# KiCad board Slab.kicad_pcb (continued)
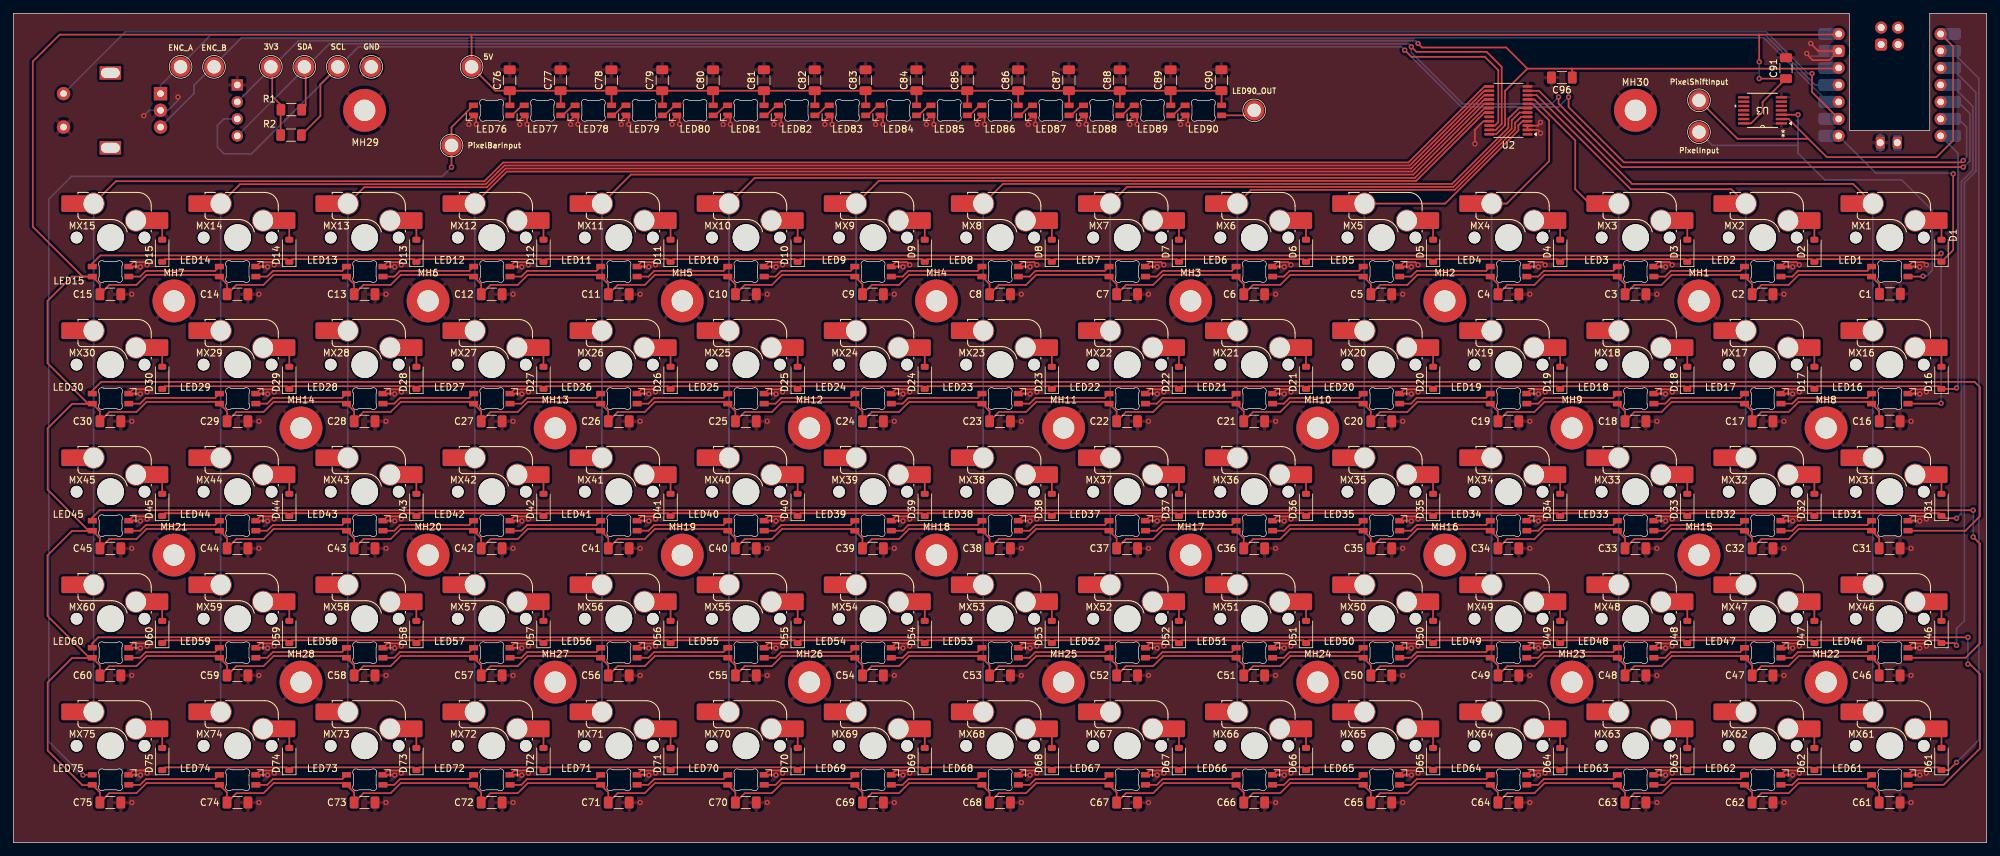
[diagram p0: board, top side]
## Routing (per net, layer and track width the routed paths; a pad name or vN(x,y) marks a point on that pad's centre or on a via; arc(x,y) is an arc through that point) (continued)
/Column1: length 134.6
  Top w0.25: MX1.2 275.04,98.5 242,98.5 228.07,112.42 U2.11
  Bottom w0.25: MX1.2 MX16.2 MX31.2 MX46.2 MX61.2
/Column2: length 115.3
  Top w0.25: MX2.2 256.84,97.7 241.8,97.7 227.72,111.78 U2.10
  Bottom w0.25: MX2.2 MX17.2 MX32.2 MX47.2 MX62.2
/Column3: length 100.3
  Top w0.25: MX3.2 235.65,95.56 233.5,97.7 233.5,105 227.38,111.12 U2.9
  Bottom w0.25: MX63.2 MX48.2 MX33.2 MX18.2 MX3.2
/Column4: length 97.6
  Top w0.25: MX4.2 223.25,95.56 229.6,101.9 229.6,107.97 227.1,110.47 U2.8
  Bottom w0.25: MX64.2 MX49.2 MX34.2 MX19.2 MX4.2
/Column5: length 105.9
  Top w0.25: MX5.2 214.06,95.56 225,106.5 225,107.26 225.61,107.88 U2.4
  Bottom w0.25: MX65.2 MX50.2 MX35.2 MX20.2 MX5.2
/Column6: length 125.3
  Top w0.25: MX6.2 185.03,97.6 215.46,97.6 224.5,106.64 224.5,107.62 225.4,108.53 U2.5
  Bottom w0.25: MX66.2 MX51.2 MX36.2 MX21.2 MX6.2
/Column7: length 144.7
  Top w0.25: MX7.2 166.48,98.05 215.28,98.05 224,106.77 224,108 225.18,109.17 U2.6
  Bottom w0.25: MX7.2 MX22.2 MX37.2 MX52.2 MX67.2
/Column8: length 164.1
  Top w0.25: MX8.2 147.93,98.5 215.09,98.5 223.5,106.91 223.5,108.25 225.07,109.83 U2.7
  Bottom w0.25: MX68.2 MX53.2 MX38.2 MX23.2 MX8.2
/Column9: length 176.3
  Top w0.25: U2.19 219.95,109.17 209.72,98.95 129.38,98.95 MX9.2
  Bottom w0.25: MX69.2 MX54.2 MX39.2 MX24.2 MX9.2
/Column10: length 195.6
  Top w0.25: MX10.2 110.83,99.4 209.52,99.4 219.95,109.83 U2.18
  Bottom w0.25: MX10.2 MX25.2 MX40.2 MX55.2 MX70.2
/Column11: length 214.8
  Top w0.25: U2.17 219.88,110.47 209.3,99.9 92.33,99.9 MX11.2
  Bottom w0.25: MX11.2 MX26.2 MX41.2 MX56.2 MX71.2
/Column12: length 234.1
  Top w0.25: U2.16 219.89,111.12 209.11,100.35 73.78,100.35 MX12.2
  Bottom w0.25: MX72.2 MX57.2 MX42.2 MX27.2 MX12.2
/Column13: length 253.4
  Top w0.25: U2.15 219.9,111.78 208.93,100.8 73.59,100.8 70.79,98 52.43,98 MX13.2
  Bottom w0.25: MX13.2 MX28.2 MX43.2 MX58.2 MX73.2
/Column14: length 272.6
  Top w0.25: MX14.2 33.88,98.45 70.61,98.45 73.41,101.25 208.74,101.25 219.92,112.42 U2.14
  Bottom w0.25: MX74.2 MX59.2 MX44.2 MX29.2 MX14.2
/Column15: length 291.9
  Top w0.25: U2.13 219.93,113.08 208.55,101.7 73.22,101.7 70.42,98.9 15.33,98.9 MX15.2
  Bottom w0.25: MX75.2 MX60.2 MX45.2 MX30.2 MX15.2
/EncoderA: length 258.4
  Bottom w0.25: U1.11 269.36,113.3 261.86,120.8 29.55,120.8 22,113.25 SW1.A
/EncoderB: length 261.1
  Bottom w0.25: U1.12 271.27,110.76 261.68,120.35 34.1,120.35 27,113.25 27,112 SW1.B
/EncoderSwitchOutput: length 276.4
  Top w0.25: 268.9,114.8 v1(268.9,115) 268.9,112.22 272.88,108.24 U1.13
  Bottom w0.25: SW1.S2 16.75,121.25 262.05,121.25 268.3,115 v1(268.9,115)
/I2C_1.SCL: length 330.7
  Top w0.25: U2.22 221.49,107.22 222,107.74 222,115.5 220,117.5 209,117.5 v1(208,118.5) ; v1(291.5,102) 291.23,101.72 240.78,101.72 232.5,110 v1(232.5,111.5) ; SCL.1 45.9,113.4 45.9,108.65 R2.2
  Bottom w0.25: J1.3 31.47,108.22 30.5,107.25 30.5,104 31.5,103 35.6,103 51.6,119 207.5,119 v1(208,118.5) 216.5,110 231,110 v1(232.5,111.5) ; v1(291.5,102) 292,102.5 292,107 290.78,108.22 U1.6
/I2C_1.SDA: length 319
  Top w0.25: U2.23 221.6,106.58 222.5,107.47 222.5,116 220.25,118.25 209.75,118.25 v1(209,119) ; 43.7,116 43.7,110.2 R1.2 ; v1(231,111.5) 231,110.5 240.5,101 v1(291.5,101)
  Bottom w0.25: v1(231,111.5) 229.95,110.45 216.69,110.45 209,118.14 v1(209,119) 208.55,119.45 47.24,119.45 J1.4 ; U1.5 290.74,110.76 292.5,109 292.5,101.97 291.53,101 v1(291.5,101)
/PixelBarInput: length 162.8
  Top w0.25: v1(10.4,10.1) 10.45,10.14 LED75.2 ; LED76.3 65.5,106.97 PixelBarInput.1 v1(65.5,101)
  Bottom w0.25: 10.3,10.1 v1(10.4,10.1) 10.4,10 10.3,10.1 ; 10.3,10.1 5.3,15.1 5.3,96.25 8.68,99.62 64.12,99.62 v1(65.5,101)
/PixelInput: length 60.4
  Top w0.25: v1(266.8,108.85) U3.3 ; LED1.3 285.44,84.65 v1(285.5,84.7)
  Bottom w0.25: 266.8,104.25 266.8,103.1 270.8,99.1 282.3,99.1 286.86,94.55 286.86,85.56 286,84.7 v1(285.5,84.7) ; 266.8,104.25 v1(266.8,108.85) ; 266.8,104.25 254,104.25 PixelInput.1
/PixelShiftInput: length 64.5
  Top w0.25: PixelShiftInput.1 257.75,105.25 268.36,105.25 ; 268.36,105.25 271.11,102.5 287.5,102.5 290,105 290,119.04 U1.1 ; 268.36,105.25 265.41,108.2 U3.2
/Row1: length 304
  Top w0.25: D15.1 22.65,87.25 40.85,87.25 D14.1 41.65,87.25 59.85,87.25 D13.1 60.65,87.25 78.85,87.25 D12.1 79.65,87.25 97.85,87.25 D11.1 98.65,87.25 116.85,87.25 D10.1 117.65,87.25 135.85,87.25 D9.1 136.65,87.25 154.85,87.25 D8.1 155.65,87.25 173.85,87.25 D7.1 174.65,87.25 192.85,87.25 D6.1 193.65,87.25 211.85,87.25 D5.1 212.65,87.25 230.85,87.25 D4.1 231.65,87.25 249.85,87.25 D3.1 250.65,87.25 268.85,87.25 D2.1 269.65,87.25 287.85,87.25 D1.1 290,88.6 v1(290,100)
  Bottom w0.25: v1(290,100) 289.9,100.1 278.46,100.1 U1.14
/Row2: length 311.8
  Top w0.25: v1(290.5,68) 290.35,67.85 D16.1 287.85,68.25 269.65,68.25 D17.1 268.85,68.25 250.65,68.25 D18.1 249.85,68.25 231.65,68.25 D19.1 230.85,68.25 212.65,68.25 D20.1 211.85,68.25 193.65,68.25 D21.1 192.85,68.25 174.65,68.25 D22.1 173.85,68.25 155.65,68.25 D23.1 154.85,68.25 136.65,68.25 D24.1 135.85,68.25 117.65,68.25 D25.1 116.85,68.25 98.65,68.25 D26.1 97.85,68.25 79.65,68.25 D27.1 78.85,68.25 60.65,68.25 D28.1 59.85,68.25 41.65,68.25 D29.1 40.85,68.25 22.65,68.25 D30.1
  Bottom w0.25: U1.7 290.73,103.08 290.73,68.22 v1(290.5,68)
/Row3: length 341.8
  Top w0.25: v1(290.5,48.5) 288.6,48.5 D31.1 287.85,49.25 269.65,49.25 D32.1 268.85,49.25 250.65,49.25 D33.1 249.85,49.25 231.65,49.25 D34.1 230.85,49.25 212.65,49.25 D35.1 211.85,49.25 193.65,49.25 D36.1 192.85,49.25 174.65,49.25 D37.1 173.85,49.25 155.65,49.25 D38.1 154.85,49.25 136.65,49.25 D39.1 135.85,49.25 117.65,49.25 D40.1 116.85,49.25 98.65,49.25 D41.1 97.85,49.25 79.65,49.25 D42.1 78.85,49.25 60.65,49.25 D43.1 59.85,49.25 41.65,49.25 D44.1 40.85,49.25 22.65,49.25 D45.1
  Bottom w0.25: v1(290.5,48.5) 291.23,49.22 291.23,98.86 292.95,100.59 292.95,110.08 289.73,113.3 U1.4
/Row4: length 363.7
  Top w0.25: D60.1 22.65,30.25 40.85,30.25 D59.1 41.65,30.25 59.85,30.25 D58.1 60.65,30.25 78.85,30.25 D57.1 79.65,30.25 97.85,30.25 D56.1 98.65,30.25 116.85,30.25 D55.1 117.65,30.25 135.85,30.25 D54.1 136.65,30.25 154.85,30.25 D53.1 155.65,30.25 173.85,30.25 D52.1 174.65,30.25 192.85,30.25 D51.1 193.65,30.25 211.85,30.25 D50.1 212.65,30.25 230.85,30.25 D49.1 231.65,30.25 249.85,30.25 D48.1 250.65,30.25 268.85,30.25 D47.1 269.65,30.25 287.85,30.25 D46.1 290.15,29.85 v1(290.5,29.5)
  Bottom w0.25: U1.3 289.73,115.84 293.4,112.17 293.4,100.4 291.68,98.67 291.68,33.17 290.5,32 v1(290.5,29.5)
/Row5: length 384.5
  Top w0.25: v1(290.5,12) 289.35,10.85 D61.1 287.85,11.25 269.65,11.25 D62.1 268.85,11.25 250.65,11.25 D63.1 249.85,11.25 231.65,11.25 D64.1 230.85,11.25 212.65,11.25 D65.1 211.85,11.25 193.65,11.25 D66.1 192.85,11.25 174.65,11.25 D67.1 173.85,11.25 155.65,11.25 D68.1 154.85,11.25 136.65,11.25 D69.1 135.85,11.25 117.65,11.25 D70.1 116.85,11.25 98.65,11.25 D71.1 97.85,11.25 79.65,11.25 D72.1 78.85,11.25 60.65,11.25 D73.1 59.85,11.25 41.65,11.25 D74.1 40.85,11.25 22.65,11.25 D75.1
  Bottom w0.25: U1.2 289.73,118.38 293.85,114.26 293.85,15.35 v1(290.5,12)
Net-(D1-A): length 3
  Top w0.25: MX1.1 288.25,92.65 D1.2
Net-(D2-A): length 3
  Top w0.25: MX2.1 269.25,92.65 D2.2
Net-(D3-A): length 3
  Top w0.25: D3.2 250.25,92.65 MX3.1
Net-(D4-A): length 3
  Top w0.25: MX4.1 231.25,92.65 D4.2
Net-(D5-A): length 3
  Top w0.25: D5.2 212.25,92.65 MX5.1
Net-(D6-A): length 3
  Top w0.25: D6.2 193.25,92.65 MX6.1
Net-(D7-A): length 3
  Top w0.25: MX7.1 174.25,92.65 D7.2
Net-(D8-A): length 3
  Top w0.25: D8.2 155.25,92.65 MX8.1
Net-(D9-A): length 3
  Top w0.25: D9.2 136.25,92.65 MX9.1
Net-(D10-A): length 3
  Top w0.25: D10.2 117.25,92.65 MX10.1
Net-(D11-A): length 3
  Top w0.25: D11.2 98.25,92.65 MX11.1
Net-(D12-A): length 3
  Top w0.25: MX12.1 79.25,92.65 D12.2
Net-(D13-A): length 3
  Top w0.25: D13.2 60.25,92.65 59.88,93.02
Net-(D14-A): length 3
  Top w0.25: D14.2 41.25,92.65 40.88,93.02
Net-(D15-A): length 3
  Top w0.25: D15.2 22.25,92.65 21.88,93.02
Net-(D16-A): length 3
  Top w0.25: D16.2 288.25,73.65 MX16.1
Net-(D17-A): length 3
  Top w0.25: MX17.1 269.25,73.65 D17.2
Net-(D18-A): length 3
  Top w0.25: D18.2 250.25,73.65 MX18.1
Net-(D19-A): length 3
  Top w0.25: MX19.1 231.25,73.65 D19.2
Net-(D20-A): length 3
  Top w0.25: MX20.1 212.25,73.65 D20.2
Net-(D21-A): length 3
  Top w0.25: D21.2 193.25,73.65 MX21.1
Net-(D22-A): length 3
  Top w0.25: MX22.1 174.25,73.65 D22.2
Net-(D23-A): length 3
  Top w0.25: MX23.1 155.25,73.65 D23.2
Net-(D24-A): length 3
  Top w0.25: MX24.1 136.25,73.65 D24.2
Net-(D25-A): length 3
  Top w0.25: MX25.1 117.25,73.65 D25.2
Net-(D26-A): length 3
  Top w0.25: MX26.1 98.25,73.65 D26.2
Net-(D27-A): length 3
  Top w0.25: D27.2 79.25,73.65 MX27.1
Net-(D28-A): length 3
  Top w0.25: D28.2 60.25,73.65 59.88,74.02
Net-(D29-A): length 3
  Top w0.25: D29.2 41.25,73.65 40.88,74.02
Net-(D30-A): length 3
  Top w0.25: 21.88,74.02 22.25,73.65 D30.2
Net-(D31-A): length 3
  Top w0.25: MX31.1 288.25,54.65 D31.2
Net-(D32-A): length 3
  Top w0.25: MX32.1 269.25,54.65 D32.2
Net-(D33-A): length 3
  Top w0.25: MX33.1 250.25,54.65 D33.2
Net-(D34-A): length 3
  Top w0.25: MX34.1 231.25,54.65 D34.2
Net-(D35-A): length 3
  Top w0.25: MX35.1 212.25,54.65 D35.2
Net-(D36-A): length 3
  Top w0.25: MX36.1 193.25,54.65 D36.2
Net-(D37-A): length 3
  Top w0.25: MX37.1 174.25,54.65 D37.2
Net-(D38-A): length 3
  Top w0.25: MX38.1 155.25,54.65 D38.2
Net-(D39-A): length 3
  Top w0.25: MX39.1 136.25,54.65 D39.2
Net-(D40-A): length 3
  Top w0.25: MX40.1 117.25,54.65 D40.2
Net-(D41-A): length 3
  Top w0.25: MX41.1 98.25,54.65 D41.2
Net-(D42-A): length 3
  Top w0.25: D42.2 79.25,54.65 MX42.1
Net-(D43-A): length 3
  Top w0.25: D43.2 60.25,54.65 59.88,55.02
Net-(D44-A): length 3
  Top w0.25: D44.2 41.25,54.65 40.88,55.02
Net-(D45-A): length 3
  Top w0.25: 21.88,55.02 22.25,54.65 D45.2
Net-(D46-A): length 3
  Top w0.25: D46.2 288.25,35.65 MX46.1
Net-(D47-A): length 3
  Top w0.25: D47.2 269.25,35.65 MX47.1
Net-(D48-A): length 3
  Top w0.25: D48.2 250.25,35.65 MX48.1
Net-(D49-A): length 3
  Top w0.25: D49.2 231.25,35.65 MX49.1
Net-(D50-A): length 3
  Top w0.25: MX50.1 212.25,35.65 D50.2
Net-(D51-A): length 3
  Top w0.25: MX51.1 193.25,35.65 D51.2
Net-(D52-A): length 3
  Top w0.25: D52.2 174.25,35.65 MX52.1
Net-(D53-A): length 3
  Top w0.25: D53.2 155.25,35.65 MX53.1
Net-(D54-A): length 3
  Top w0.25: MX54.1 136.25,35.65 D54.2
Net-(D55-A): length 3
  Top w0.25: MX55.1 117.25,35.65 D55.2
Net-(D56-A): length 3
  Top w0.25: D56.2 98.25,35.65 MX56.1
Net-(D57-A): length 3
  Top w0.25: MX57.1 79.25,35.65 D57.2
Net-(D58-A): length 3
  Top w0.25: 59.88,36.02 60.25,35.65 D58.2
Net-(D59-A): length 3
  Top w0.25: 40.88,36.02 41.25,35.65 D59.2
Net-(D60-A): length 3
  Top w0.25: D60.2 22.25,35.65 21.88,36.02
Net-(D61-A): length 3
  Top w0.25: MX61.1 288.25,16.65 D61.2
Net-(D62-A): length 3
  Top w0.25: D62.2 269.25,16.65 MX62.1
Net-(D63-A): length 3
  Top w0.25: D63.2 250.25,16.65 MX63.1
Net-(D64-A): length 3
  Top w0.25: MX64.1 231.25,16.65 D64.2
Net-(D65-A): length 3
  Top w0.25: D65.2 212.25,16.65 MX65.1
Net-(D66-A): length 3
  Top w0.25: MX66.1 193.25,16.65 D66.2
Net-(D67-A): length 3
  Top w0.25: D67.2 174.25,16.65 MX67.1
Net-(D68-A): length 3
  Top w0.25: D68.2 155.25,16.65 MX68.1
Net-(D69-A): length 3
  Top w0.25: D69.2 136.25,16.65 MX69.1
Net-(D70-A): length 3
  Top w0.25: D70.2 117.25,16.65 MX70.1
Net-(D71-A): length 3
  Top w0.25: D71.2 98.25,16.65 MX71.1
Net-(D72-A): length 3
  Top w0.25: D72.2 79.25,16.65 MX72.1
Net-(D73-A): length 3
  Top w0.25: D73.2 60.25,16.65 59.88,17.02
Net-(D74-A): length 3
  Top w0.25: D74.2 41.25,16.65 40.88,17.02
Net-(D75-A): length 3
  Top w0.25: 21.88,17.02 22.25,16.65 D75.2
Net-(LED1-DOUT): length 14.2
  Top w0.25: LED1.2 277.15,85.5 266.8,85.5 265.94,84.65 LED2.3
Net-(LED2-DOUT): length 14.2
  Top w0.25: LED2.2 258.15,85.5 247.8,85.5 246.94,84.65 LED3.3
Net-(LED3-DOUT): length 14.2
  Top w0.25: LED3.2 239.16,85.5 228.8,85.5 227.94,84.65 LED4.3
Net-(LED4-DOUT): length 14.2
  Top w0.25: LED4.2 220.16,85.5 209.8,85.5 208.94,84.65 LED5.3
Net-(LED5-DOUT): length 14.2
  Top w0.25: LED6.3 189.94,84.65 190.8,85.5 201.16,85.5 LED5.2
Net-(LED6-DOUT): length 14.2
  Top w0.25: LED7.3 170.94,84.65 171.8,85.5 182.16,85.5 LED6.2
Net-(LED7-DOUT): length 14.2
  Top w0.25: LED8.3 151.94,84.65 152.8,85.5 163.16,85.5 LED7.2
Net-(LED8-DOUT): length 14.2
  Top w0.25: LED8.2 144.16,85.5 133.8,85.5 132.94,84.65 LED9.3
Net-(LED10-DIN): length 14.2
  Top w0.25: LED9.2 125.16,85.5 114.8,85.5 113.94,84.65 LED10.3
Net-(LED10-DOUT): length 14.2
  Top w0.25: LED10.2 106.16,85.5 95.8,85.5 94.94,84.65 LED11.3
Net-(LED11-DOUT): length 14.2
  Top w0.25: LED11.2 87.16,85.5 76.8,85.5 75.94,84.65 LED12.3
Net-(LED12-DOUT): length 14.2
  Top w0.25: LED12.2 68.16,85.5 57.8,85.5 56.95,84.65 LED13.3
Net-(LED13-DOUT): length 14.2
  Top w0.25: LED13.2 49.16,85.5 38.8,85.5 37.95,84.65 LED14.3
Net-(LED14-DOUT): length 14.2
  Top w0.25: LED14.2 30.16,85.5 19.8,85.5 18.95,84.65 LED15.3
Net-(LED15-DOUT): length 304.8
  Top w0.25: LED16.3 288.14,65.64 v1(288.2,65.7) ; v1(288.2,88.1) 287.9,87.8 13,87.8 11.8,86.6 LED15.2
  Bottom w0.25: v1(288.2,88.1) v1(288.2,65.7)
Net-(LED16-DOUT): length 14.2
  Top w0.25: LED16.2 277.15,66.5 266.8,66.5 265.94,65.64 LED17.3
Net-(LED17-DOUT): length 14.2
  Top w0.25: LED17.2 258.15,66.5 247.8,66.5 246.94,65.64 LED18.3
Net-(LED18-DOUT): length 14.2
  Top w0.25: LED18.2 239.16,66.5 228.8,66.5 227.94,65.64 LED19.3
Net-(LED19-DOUT): length 14.2
  Top w0.25: LED20.3 208.94,65.64 209.8,66.5 220.16,66.5 LED19.2
Net-(LED20-DOUT): length 14.2
  Top w0.25: LED21.3 189.94,65.64 190.8,66.5 201.16,66.5 LED20.2
Net-(LED21-DOUT): length 14.2
  Top w0.25: LED22.3 170.94,65.64 171.8,66.5 182.16,66.5 LED21.2
Net-(LED22-DOUT): length 14.2
  Top w0.25: LED22.2 163.16,66.5 152.8,66.5 151.94,65.64 LED23.3
Net-(LED23-DOUT): length 14.2
  Top w0.25: LED23.2 144.16,66.5 133.8,66.5 132.94,65.64 LED24.3
Net-(LED24-DOUT): length 14.2
  Top w0.25: LED25.3 113.94,65.64 114.8,66.5 125.16,66.5 LED24.2
Net-(LED25-DOUT): length 14.2
  Top w0.25: LED25.2 106.16,66.5 95.8,66.5 94.94,65.64 LED26.3
Net-(LED26-DOUT): length 14.2
  Top w0.25: LED27.3 75.94,65.64 76.8,66.5 87.16,66.5 LED26.2
Net-(LED27-DOUT): length 14.2
  Top w0.25: LED27.2 68.16,66.5 57.8,66.5 56.95,65.64 LED28.3
Net-(LED28-DOUT): length 14.2
  Top w0.25: LED28.2 49.16,66.5 38.8,66.5 37.95,65.64 LED29.3
Net-(LED29-DOUT): length 14.2
  Top w0.25: LED29.2 30.16,66.5 19.8,66.5 18.95,65.64 LED30.3
Net-(LED30-DOUT): length 314.5
  Top w0.25: LED30.2 11.8,67.57 13.13,68.9 293.2,68.9 294,68.1 294,48.8 291.85,46.64 LED31.3
Net-(LED31-DOUT): length 14.2
  Top w0.25: LED32.3 265.94,46.64 266.8,47.5 277.15,47.5 LED31.2
Net-(LED32-DOUT): length 14.2
  Top w0.25: LED33.3 246.94,46.64 247.8,47.5 258.15,47.5 LED32.2
Net-(LED33-DOUT): length 14.2
  Top w0.25: LED33.2 239.16,47.5 228.8,47.5 227.94,46.64 LED34.3
Net-(LED34-DOUT): length 14.2
  Top w0.25: LED34.2 220.16,47.5 209.8,47.5 208.94,46.64 LED35.3
Net-(LED35-DOUT): length 14.2
  Top w0.25: LED35.2 201.16,47.5 190.8,47.5 189.94,46.64 LED36.3
Net-(LED36-DOUT): length 14.2
  Top w0.25: LED36.2 182.16,47.5 171.8,47.5 170.94,46.64 LED37.3
Net-(LED37-DOUT): length 14.2
  Top w0.25: LED37.2 163.16,47.5 152.8,47.5 151.94,46.64 LED38.3
Net-(LED38-DOUT): length 14.2
  Top w0.25: LED38.2 144.16,47.5 133.8,47.5 132.94,46.64 LED39.3
Net-(LED39-DOUT): length 14.2
  Top w0.25: LED40.3 113.94,46.64 114.8,47.5 125.16,47.5 LED39.2
Net-(LED40-DOUT): length 14.2
  Top w0.25: LED40.2 106.16,47.5 95.8,47.5 94.94,46.64 LED41.3
Net-(LED41-DOUT): length 14.2
  Top w0.25: LED41.2 87.16,47.5 76.8,47.5 75.94,46.64 LED42.3
Net-(LED42-DOUT): length 14.2
  Top w0.25: LED43.3 56.95,46.64 57.8,47.5 68.16,47.5 LED42.2
Net-(LED43-DOUT): length 14.2
  Top w0.25: LED44.3 37.95,46.64 38.8,47.5 49.16,47.5 LED43.2
Net-(LED44-DOUT): length 14.2
  Top w0.25: LED45.3 18.95,46.64 19.8,47.5 30.16,47.5 LED44.2
Net-(LED45-DOUT): length 314.1
  Top w0.25: LED45.2 11.8,48.6 12.9,49.7 v1(293,49.7) ; v1(293,45.7) 294,44.7 294,29.8 291.85,27.64 LED46.3
  Bottom w0.25: v1(293,49.7) v1(293,45.7)
Net-(LED46-DOUT): length 14.2
  Top w0.25: LED47.3 265.94,27.64 266.8,28.5 277.15,28.5 LED46.2
Net-(LED47-DOUT): length 14.2
  Top w0.25: LED47.2 258.15,28.5 247.8,28.5 246.94,27.64 LED48.3
Net-(LED48-DOUT): length 14.2
  Top w0.25: LED49.3 227.94,27.64 228.8,28.5 239.16,28.5 LED48.2
Net-(LED49-DOUT): length 14.2
  Top w0.25: LED49.2 220.16,28.5 209.8,28.5 208.94,27.64 LED50.3
Net-(LED50-DOUT): length 14.2
  Top w0.25: LED51.3 189.94,27.64 190.8,28.5 201.16,28.5 LED50.2
Net-(LED51-DOUT): length 14.2
  Top w0.25: LED51.2 182.16,28.5 171.8,28.5 170.94,27.64 LED52.3
Net-(LED52-DOUT): length 14.2
  Top w0.25: LED52.2 163.16,28.5 152.8,28.5 151.94,27.64 LED53.3
Net-(LED53-DOUT): length 14.2
  Top w0.25: LED53.2 144.16,28.5 133.8,28.5 132.94,27.64 LED54.3
Net-(LED54-DOUT): length 14.2
  Top w0.25: LED54.2 125.16,28.5 114.8,28.5 113.94,27.64 LED55.3
Net-(LED55-DOUT): length 14.2
  Top w0.25: LED55.2 106.16,28.5 95.8,28.5 94.94,27.64 LED56.3
Net-(LED56-DOUT): length 14.2
  Top w0.25: LED57.3 75.94,27.64 76.8,28.5 87.16,28.5 LED56.2
Net-(LED57-DOUT): length 14.2
  Top w0.25: LED57.2 68.16,28.5 57.8,28.5 56.95,27.64 LED58.3
Net-(LED58-DOUT): length 14.2
  Top w0.25: LED59.3 37.95,27.64 38.8,28.5 49.16,28.5 LED58.2
Net-(LED59-DOUT): length 14.2
  Top w0.25: LED60.3 18.95,27.64 19.8,28.5 30.16,28.5 LED59.2
Net-(LED60-DOUT): length 311.9
  Top w0.25: 292.1,30.7 12.7,30.7 11.8,29.8 LED60.2 ; LED61.3 288.57,8.64 294,14.07 294,25.2 292.5,26.7 v1(292.2,26.7)
  Bottom w0.25: v1(292.2,30.7) v1(292.2,26.7)
Net-(LED61-DOUT): length 14.2
  Top w0.25: LED61.2 277.15,9.5 266.8,9.5 265.94,8.64 LED62.3
Net-(LED62-DOUT): length 14.2
  Top w0.25: LED63.3 246.94,8.64 247.8,9.5 258.15,9.5 LED62.2
Net-(LED63-DOUT): length 14.2
  Top w0.25: LED64.3 227.94,8.64 228.8,9.5 239.16,9.5 LED63.2
Net-(LED64-DOUT): length 14.2
  Top w0.25: LED65.3 208.94,8.64 209.8,9.5 220.16,9.5 LED64.2
Net-(LED65-DOUT): length 14.2
  Top w0.25: LED66.3 189.94,8.64 190.8,9.5 201.16,9.5 LED65.2
Net-(LED66-DOUT): length 14.2
  Top w0.25: LED67.3 170.94,8.64 171.8,9.5 182.16,9.5 LED66.2
Net-(LED67-DOUT): length 14.2
  Top w0.25: LED67.2 163.16,9.5 152.8,9.5 151.94,8.64 LED68.3
Net-(LED68-DOUT): length 14.2
  Top w0.25: LED68.2 144.16,9.5 133.8,9.5 132.94,8.64 LED69.3
Net-(LED69-DOUT): length 14.2
  Top w0.25: LED69.2 125.16,9.5 114.8,9.5 113.94,8.64 LED70.3
Net-(LED70-DOUT): length 14.2
  Top w0.25: LED70.2 106.16,9.5 95.8,9.5 94.94,8.64 LED71.3
Net-(LED71-DOUT): length 14.2
  Top w0.25: LED72.3 75.94,8.64 76.8,9.5 87.16,9.5 LED71.2
Net-(LED72-DOUT): length 14.2
  Top w0.25: LED72.2 68.16,9.5 57.8,9.5 56.95,8.64 LED73.3
Net-(LED73-DOUT): length 14.2
  Top w0.25: LED73.2 49.16,9.5 38.8,9.5 37.95,8.64 LED74.3
Net-(LED74-DOUT): length 14.2
  Top w0.25: LED75.3 18.95,8.64 19.8,9.5 30.16,9.5 LED74.2
Net-(LED76-DOUT): length 2.8
  Top w0.25: LED77.3 76.05,110.25 74.55,108.75 LED76.2
Net-(LED77-DOUT): length 2.1
  Top w0.25: 82.15,108.75 83.65,110.25
Net-(LED78-DOUT): length 2.1
  Top w0.25: 89.75,108.75 91.25,110.25
Net-(LED79-DOUT): length 2.1
  Top w0.25: 97.35,108.75 98.85,110.25
Net-(LED80-DOUT): length 2.1
  Top w0.25: 104.95,108.75 106.45,110.25
Net-(LED81-DOUT): length 2.1
  Top w0.25: 112.55,108.75 114.05,110.25
Net-(LED82-DOUT): length 2.1
  Top w0.25: 120.15,108.75 121.65,110.25
Net-(LED83-DOUT): length 2.1
  Top w0.25: 127.75,108.75 129.25,110.25
Net-(LED84-DOUT): length 2.1
  Top w0.25: 135.35,108.75 136.85,110.25
Net-(LED85-DOUT): length 2.1
  Top w0.25: 142.95,108.75 144.45,110.25
Net-(LED86-DOUT): length 2.1
  Top w0.25: 150.55,108.75 152.05,110.25
Net-(LED87-DOUT): length 2.1
  Top w0.25: 158.15,108.75 159.65,110.25
Net-(LED88-DOUT): length 2.1
  Top w0.25: 165.75,108.75 167.25,110.25
Net-(LED89-DOUT): length 2.1
  Top w0.25: 173.35,108.75 174.85,110.25
unconnected-(LED90-DOUT-Pad2): length 5.2
  Top w0.25: LED90_OUT.1 184.75,108.75 LED90.2

## Copper pours and planes (outline as drawn; the poured copper is in the pictures)
GND on Top, Bottom: 0,124 295,124 295,0 0,0
